# Altium PCB EinsyRetro.PcbDoc (part 3 of 5) (continued)
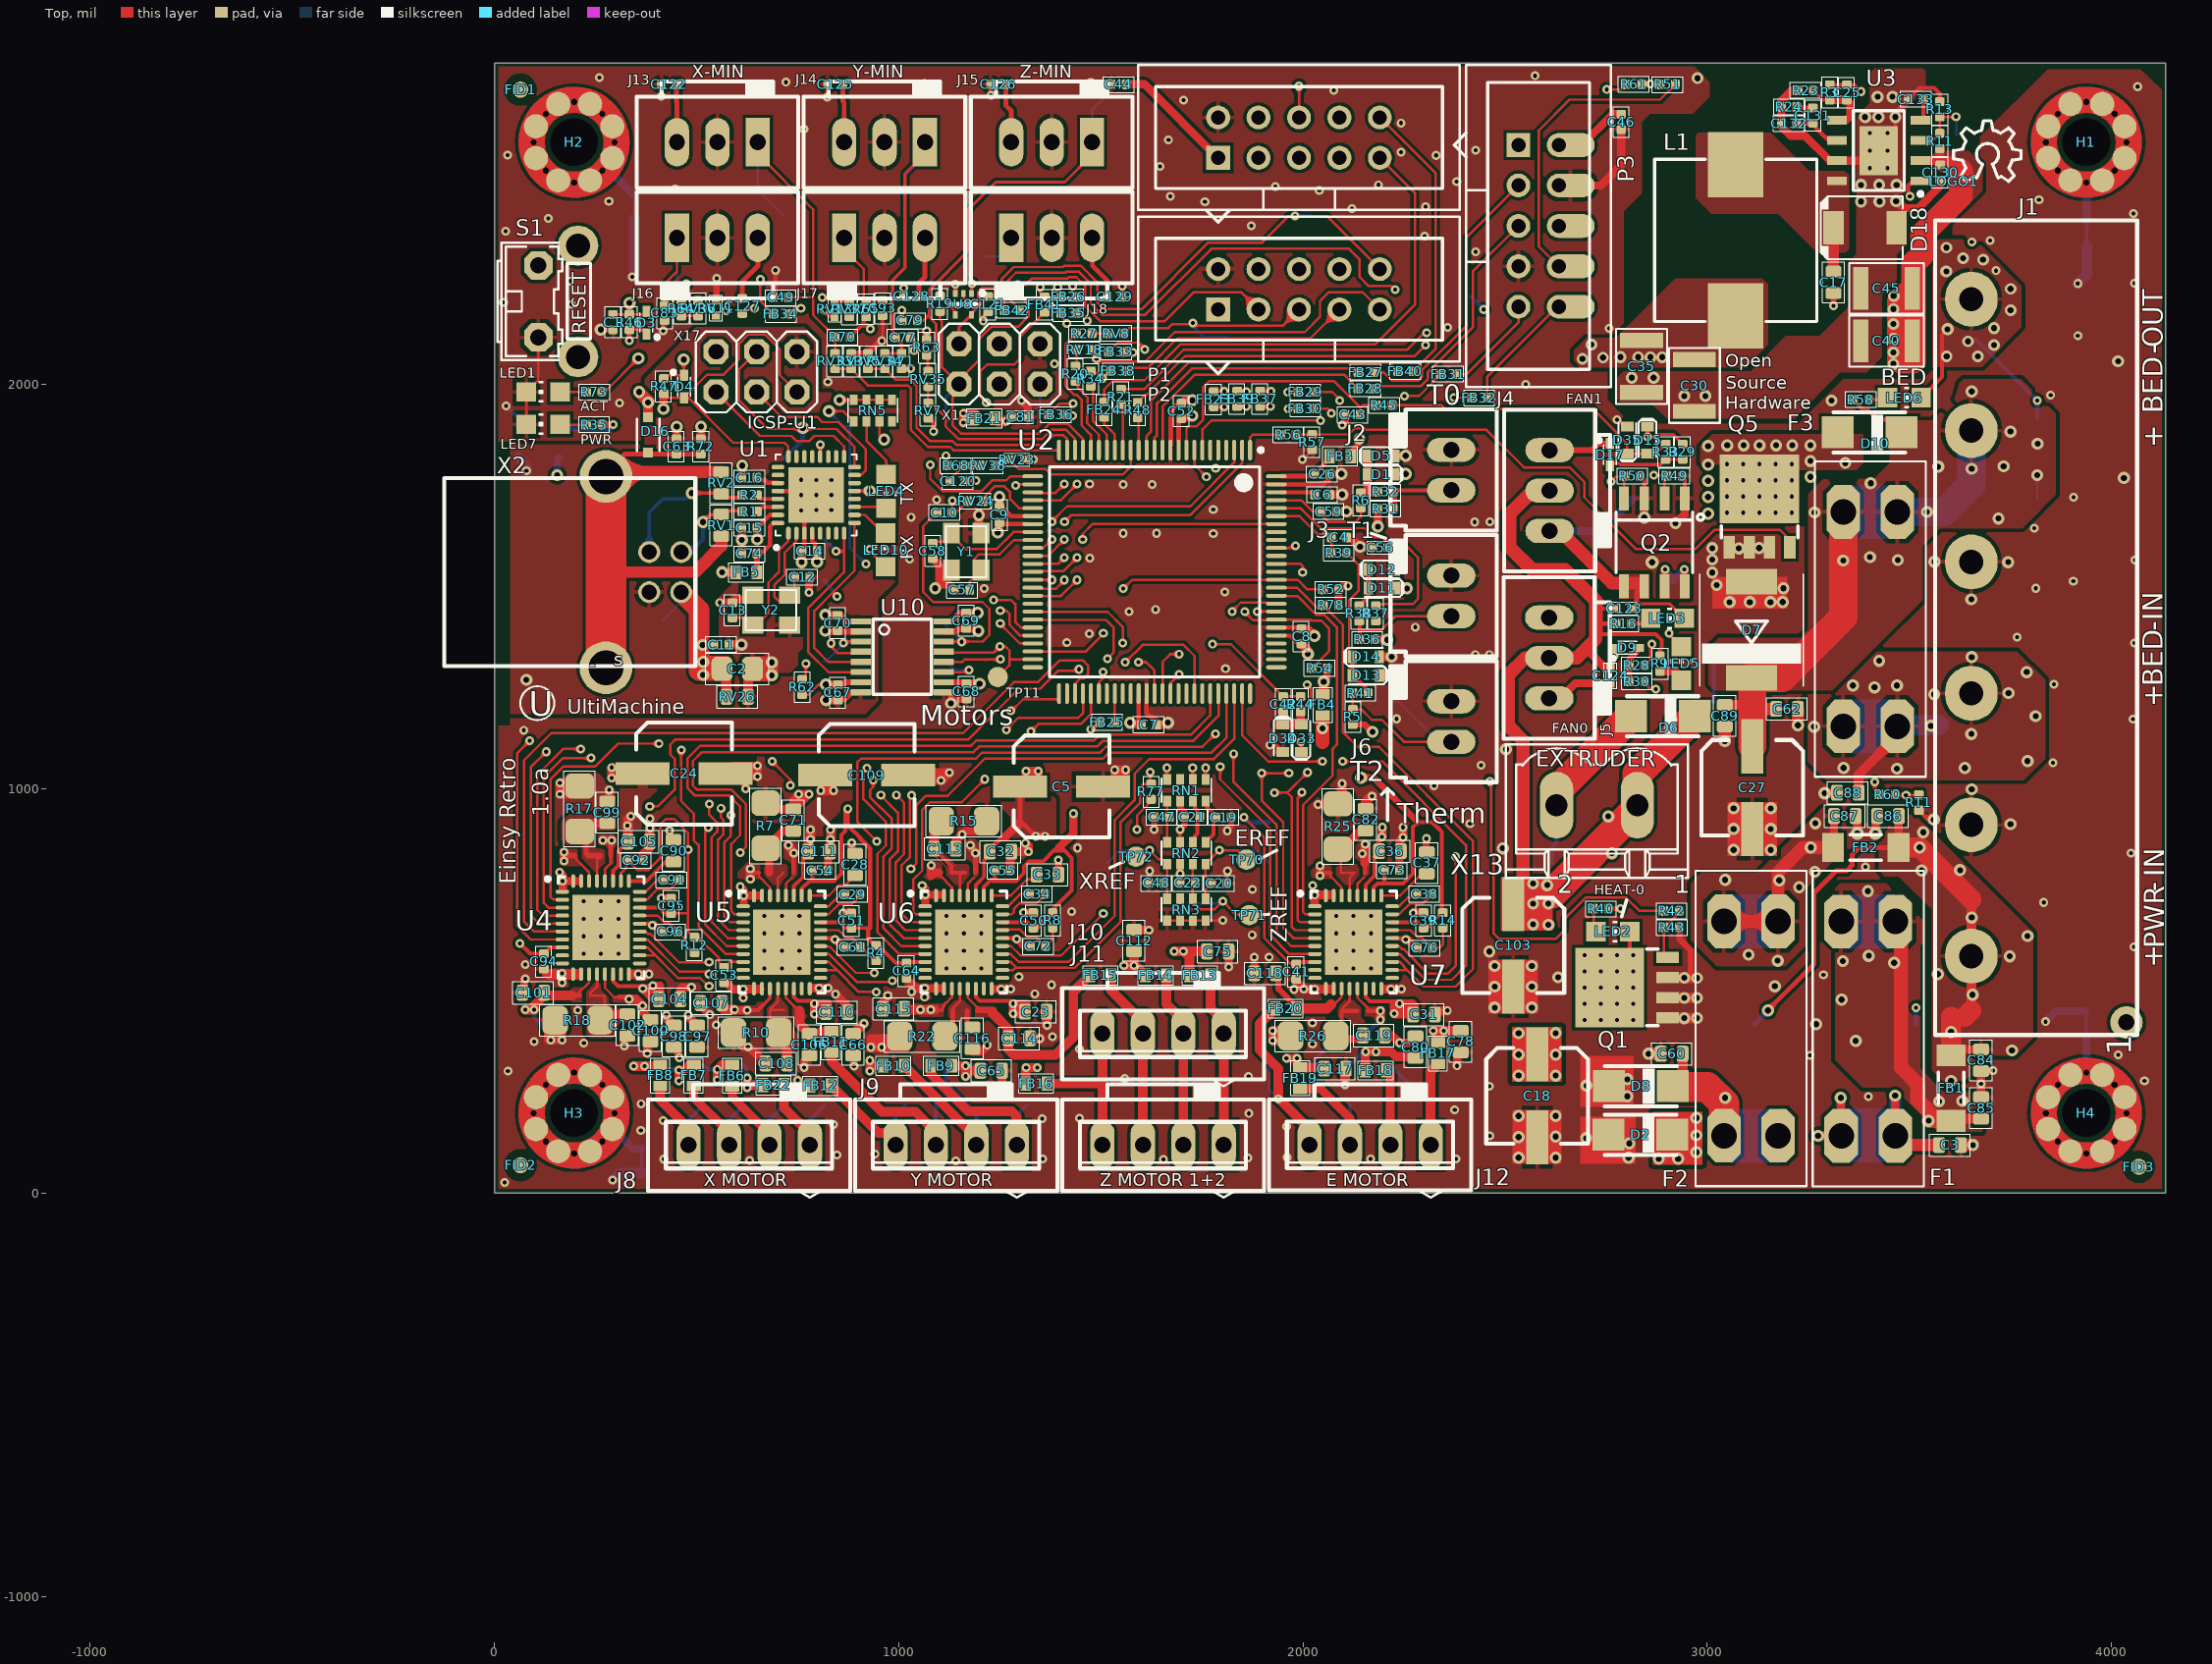
[diagram p0: Top view]
## Nets (pads, with @x,y where several pads share a name; then routed paths per layer and width w, separated by ;. In a path a pad name is that pad's centre, name@x,y a point inside that pad or via, vN(x,y) a via of type N, cw(c..) or ccw(c..) an arc to the next point about the centre after c; other vN are vias at no path point) (continued)
  Top w22: FB18.2@2206.18,303 2215.61,293.57 J12.2@2215.61,118.65
  Signal Layer 2 w10: J12.2@2216,118.72 J12.2@2216.08,118.65
  Bottom w10: TP59.TP@2216,216 2216,118.72 J12.2@2216.08,118.65
NetFB19_2: FB19.2 J12.3 TP60.TP | length 277.5
  Top w22: FB19.2@1993,257.82 2043.18,257.82 2116,185 J12.3@2116,158.13
  Signal Layer 2 w10: J12.3@2116,118.72 J12.3@2116.08,118.65
  Bottom w10: TP60.TP@2116,216 2116,118.72 J12.3@2116.08,118.65
NetFB20_2: FB20.2 J12.4 TP52.TP | length 459
  Top w24: FB20.2@1930.82,456 1893,418.18 1893,353.23 1939.23,307 1939.23,278.31 1939,278.08 1939,234.34 2015.61,157.73 J12.4@2016,158.13
  Bottom w6: TP52.TP@1916,316 1916,255 v1(1939,232)
NetFB22_2: FB22.2 J8.1 TP41.TP | length 287
  Top w24: FB22.2@716.43,266.25 716.43,210.07 780.25,146.25 J8.1@780.25,118.25
  Bottom w10: J8.1@780.25,118.25 780.25,180.25 TP41.TP@816,216
NetFB23_2: FB23.2 P2.4 | length 405.5
  Top w6: FB23.2@1779,1981.7 1779.55,1982.25 v1(1805.25,1982.25) v1@1806.25,1982.25
  Signal Layer 2 w6: v1@1806.25,1982.25 1939,2115 1939,2234.79 1890,2283.79 P2.4@1890,2285
NetFB24_1: FB24.1 P1.9 | length 1285.8
  Top w6: FB24.1@1508,1955.9 1508,1987 1531,2010 1608,2010 1697,2099 2179,2099 2276.59,2196.59 2276.59,2473.41 P1.9@2190,2560
NetFB25_1: FB25.1 P2.1 | length 1681.6
  Top w6: v1(1475,1146) 1478.8,1146 FB25.1@1496.8,1164
  Signal Layer 2 w6: v1(1475,1146) 1484,1137 1713,1137 1726,1150 1726,1172 1693,1205 1533,1205 1483,1255 1483,1320 1605,1442 1605,1837 1677.25,1909.25 1677.25,2133.25 1729,2185 P2.1@1790,2185
NetFB26_2: FB26.2 P1.8 | length 891.6
  Top w6: v2(1430,2243) 1430,2225 FB26.2@1439,2216
  Signal Layer 2 w6: v2(1430,2243) 1517,2243 1543,2269 1654.9,2269 1910.15,2524.25 1927.25,2524.25 1940,2537 1940,2585 1964,2609 2039,2609 P1.8@2090,2660
NetFB27_2: FB27.2 P3.3 | length 703.3
  Top w6: FB27.2@2174,2030 2199,2030 2220,2009 2284.98,2009 2294,2018.02 2294,2034.68 2405,2145.68 2405,2364.02 2528.68,2487.71 P3.3@2528.68,2491.71
NetFB28_2: FB28.2 P3.5 | length 614.6
  Top w6: FB28.2@2173.9,1989 2179.9,1995 2290.78,1995 2308,2012.22 2308,2028.88 2420,2140.88 2420,2279.02 2528.68,2387.71 P3.5@2528.68,2391.71
NetFB29_1: FB29.1 P3.6 R61.1 | length 1520.8
  Top w6: FB29.1@2023,1981 2072.26,1981 2093.26,1960 v1(2091,1960) ; v2(2751,2729) 2787,2729 R61.1@2799.55,2741.55
  Signal Layer 2 w6: v1(2091,1960) 2093,1960 2105,1948 2257.7,1948 2275,1965.3 2275,1987 2264,1998 2264,2134 2475,2345 2585.98,2345 P3.6@2632.68,2391.71 ; P3.6@2692.71,2391.71 P3.6@2632.68,2391.71 ; v2(2751,2729) 2661,2729 2582,2650 2582,2442.39 P3.6@2632.68,2391.71
NetFB30_1: FB30.1 P3.8 R51.1 | length 1696.2
  Top w6: FB30.1@2024,1940 2061,1940 2073,1928 v1(2070,1928) ; P3.8@2632.68,2291.71 2583,2341.39 2583,2628 2659,2704 2882.9,2704 R51.1@2920.9,2742
  Signal Layer 2 w6: v1(2070,1928) 2261,1928 2290,1957 2290,1996 2277,2009 2277,2128.62 2388.38,2240 2580.98,2240 P3.8@2632.68,2291.71 P3.8@2697.71,2291.71
NetFB31_2: FB31.2 P3.9 | length 246.4
  Top w6: FB31.2@2378,2025 2404.68,2025 2532.68,2153 P3.9@2532.68,2191.71
NetFB32_1: FB32.1 P3.10 | length 306
  Top w6: FB32.1@2454.9,1967 2454.9,2017.92 2628.68,2191.71 P3.10@2635.25,2185.14
NetFB33_1: FB33.1 P1.7 | length 909.7
  Top w6: FB33.1@1519.1,2080 1542.1,2103 1593.5,2103 ; 1600,2096.5 1593.5,2103 ; v1(1608.25,2086.25) 1608.25,2088.25 1593.5,2103
  Signal Layer 2 w6: v1(1608.25,2086.25) 1747.25,2225.25 1747.25,2309.25 1875,2437 1988.7,2437 1995.45,2430.25 2064.25,2430.25 2090,2456 P1.7@2090,2560
NetFB34_2: FB34.2 P1.6 | length 1826.8
  Top w6: v2(657.66,2259.16) 657.66,2205.9 FB34.2@689.66,2173.9 ; P1.6@1990,2660 v2(1990,2737.36)
  Signal Layer 2 w6: v2(657.66,2259.16) 1101.68,2259.16 1172.24,2329.72 1172.24,2410.43 1242.13,2480.32 1637.8,2480.32 1696.85,2539.37 1696.85,2664.37 1761.81,2729.33 1981.97,2729.33 v2(1990,2737.36)
NetFB35_1: FB35.1 P1.5 | length 735
  Top w6: FB35.1@1438.9,2176 1447,2176 v1(1466,2157)
  Signal Layer 2 w6: v1(1466,2157) 1476.96,2146.04 1550.32,2146.04 1915.54,2511.25 1941.25,2511.25 P1.5@1990,2560
NetFB36_1: FB36.1 P1.3 | length 1285.5
  Top w6: FB36.1@1370.1,1925 1397.1,1952 v1(1431,1952)
  Signal Layer 2 w6: v1(1431,1952) 1470.7,1952 1528,2009.3 1528,2072.62 1497.62,2103 1432.38,2103 1371,2164.38 1371,2252 1390,2271 1515,2271 1739.25,2495.25 1739.25,2593.25 1757.25,2611.25 1839.25,2611.25 1890,2560.5 P1.3@1890,2560
NetFB37_2: FB37.2 P2.8 | length 460.5
  Top w6: FB37.2@1894,1982.7 1894.45,1982.25 v1@1926,1982.25
  Signal Layer 2 w6: v1@1926,1983 2052,2109 2081,2109 2140,2168 2140,2235 P2.8@2090,2285
  other v1: 1921,1983
NetFB38_1: FB38.1 P2.7 | length 594.1
  Top w6: FB38.1@1561.9,2033 1568.9,2040 1615.79,2040 1688.98,2113.19 2018.19,2113.19 P2.7@2090,2185
  Signal Layer 2 w6: P2.7@2090,2182 P2.7@2090,2185
NetFB39_2: FB39.2 P2.6 | length 450.3
  Top w6: FB39.2@1837,1982.7 1837.45,1982.25 v1@1863.25,1982.25 ; v1@1857.3,1979 v1@1858.3,1980
  Signal Layer 2 w6: v1(1860,1982) 2039.7,2161.7 2040,2161.7 2040,2235 P2.6@1990,2285 ; P2.6@1965.61,2294.54 P2.6@1982.57,2277.57
NetFB40_2: FB40.2 P1.10 | length 708.6
  Top w6: P1.10@2190,2660 2328.25,2521.75 2328.25,2088.73 2272,2032.47 FB40.2@2272,2032
NetFB41_2: FB41.2 P1.4 | length 936.8
  Top w6: v1(1350,2240) 1350,2229.76 1348.62,2228.38 FB41.2@1361,2216
  Signal Layer 2 w6: v1(1350,2240) 1350,2253 1384,2287 1412,2287 1432,2307 1432,2419 1454,2441 1616.86,2441 1709.85,2533.99 1709.85,2658.99 1767.2,2716.33 1833.67,2716.33 P1.4@1890,2660
NetFB42_1: FB42.1 U8.2 | length 180.2
  Top w6: U8.2@1161,2224.57 1161,2212.72 1169,2204.72 1190.28,2204.72 1196.73,2211.16 1196.73,2228.56 1207.02,2238.85 1234.98,2238.85 1244,2229.83 1244,2221.2 1261.1,2204.1 FB42.1@1261.1,2183
NetFB42_2: FB42.2 P2.10 TP63.TP | length 1303.4
  Top w6: FB42.2@1299,2183 1299,2186 1258,2227 1258,2235.63 1255,2238.63 1255,2260.91 1284.09,2290 1406.29,2290 1409.29,2293 1450.71,2293 1491,2252.71 1491,2203 1508,2186 1601,2186 1765.25,2350.25 1899,2350.25 1964.75,2416 v1(1980,2416) 2059,2416 P2.10@2190,2285
  Bottom w10: v1(1980,2416) TP63.TP@2016,2416
NetJ2_2: J2.2 R31.1 R32.1 TP20.TP | length 346.2
  Top w10: 2222.9,1713 2226.24,1709.65 ; R32.1@2226.24,1737.65 J2.2@2366.39,1737.65
  Top w20: R31.1@2222.9,1692 2222.9,1713 R32.1@2222.9,1734
  Signal Layer 2 w10: J2.2@2365.99,1737.25 J2.2@2366.39,1737.65
  Bottom w10: TP20.TP@2216,1716 2237.25,1737.25 J2.2@2365.99,1737.25
NetJ3_2: J3.2 R36.1 R38.1 TP21.TP | length 440.3
  Top w6: 2140.1,1392 2194.23,1392 2228.86,1426.63 J3.2@2366.39,1426.63 J3.2@2364.03,1428.99
  Top w10: R38.1@2139,1410.1 2140.1,1409 2140.1,1392 R36.1@2140.1,1369
  Bottom w6: TP21.TP@2216,1416 2226.63,1426.63 J3.2@2366.39,1426.63
NetJ6_2: J6.2 R5.1 R41.1 TP15.TP | length 508.8
  Top w6: R41.1@2123.1,1236 2123,1235.9 R5.1@2123,1195.9 2144.33,1195.9 2170.23,1170 2195,1170 2249.39,1115.61 J6.2@2366.39,1115.61
  Signal Layer 2 w6: J6.2@2335.9,1115.61 J6.2@2366.39,1115.61
  Bottom w6: TP15.TP@2216,1216 2235.5,1216 J6.2@2335.9,1115.61
NetLED1_A: LED1.A R73.1 | length 66
  Top w6: LED1.A@162.34,1981 R73.1@228.35,1981
NetLED2_A: LED2.A R40.2 | length 58.3
  Top w6: R40.2@2719,702 2719,651.66 LED2.A@2724.66,646
NetLED3_A: LED3.A R16.2 | length 53
  Top w8: R16.2@2812,1408 2846.66,1408 LED3.A@2859.66,1421
NetLED4_A: LED4.A RN5.6 | length 151.5
  Top w6: RN5.6@920.28,1908.29 920.28,1859.76 968.76,1811.28 LED4.A@968.76,1776.83
NetLED5_A: LED5.A R9.2 | length 39.3
  Top w20: R9.2@2883,1290 LED5.A@2922.34,1290
NetLED6_A: LED6.A R58.2 | length 67.5
  Top w8: R58.2@3399,1962 3440.66,1962 LED6.A@3445.66,1967 LED6.A@3426.9,1967
NetLED7_A: LED7.A R35.1 | length 66.2
  Top w6: LED7.A@162.34,1901 163.34,1900 R35.1@228.1,1900
NetLED10_A: LED10.A RN5.7 | length 397.2
  Top w6: v1(928.49,1591.91) 926.43,1589.82 LED10.A@967.77,1548.48 ; RN5.7@952.02,1908.29 952.02,1874.84 v3(963.7,1863.16)
  Signal Layer 2 w6: v1(928.49,1591.91) 963.7,1627.12 v3(963.7,1863.16)
NetQ1_4: Q1.4 R42.2 R43.2 | length 133.8
  Top w6: Q1.4@2902.2,582.68 2893.1,591.78 2893.1,655 2931,692.9 R42.2@2931,697
NetQ2_2: Q2.2 R21.2 R49.1 | length 1657.3
  Top w6: R21.2@1550,1988 1607,1988 1704,2085 2246.2,2085 2246.45,2085.25 2257.25,2085.25 2299,2127 v1(2306,2127) ; v1@2875.35,1773.25 2873.61,1775 v1(2868,1775) 2894,1775 Q2.2@2894,1717.42
  Signal Layer 2 w6: v1(2306,2127) 2319,2114 2604.51,2114 2810,1908.51 2810,1833 v1(2868,1775)
NetQ2_4: Q2.4 R48.2 R50.1 | length 1515.4
  Top w6: R48.2@1591,1955 1610,1974 1612.8,1974 1708.8,2070 2276,2070 v1(2303,2097) ; v1(2762,1759) 2774,1771 2794,1771 Q2.4@2794,1717.42
  Signal Layer 2 w6: v1(2303,2097) 2518,2097 2762,1853 v1(2762,1759)
NetQ5_4: Q5.4 R56.2 R57.2 | length 1422.4
  Top w6: R56.2@1982.61,1874.95 2021.97,1874.95 R57.2@2022.98,1875.97 2113.08,1875.97 2128.11,1891 2153,1891 2157,1887 2454,1887 2547,1794 2660,1794 2696,1758 2696,1720 2824,1592 2970,1592 3018,1640 3179,1640 3204,1615 Q5.4@3204,1597
NetR11_1: R11.1 R13.2 TP62.TP U3.3 | length 182
  Top w6: U3.3@3527.35,2603 3557.1,2603 R11.1@3575,2620.9 R13.2@3575,2661 3614,2661 v1(3615,2662)
  Bottom w6: v1(3615,2662) 3616,2661 TP62.TP@3616,2616
NetR19_2: R19.2 U8.4 | length 64.7
  Top w6: R19.2@1102,2218 1141.31,2178.69 1141.31,2171.43 U8.4@1140,2170.11
NetR20_1: R20.1 U2.20 | length 179.4
  Top w6: R20.1@1443,2008 1443,1990.91 1467,1966.91 1467,1934.09 1466,1933.09 1466,1904.22 1494.99,1875.23 U2.20@1494.99,1850.96
NetR20_2: R20.2 RV18.1 | length 41.3
  Top w6: R20.2@1437,2045 1440.1,2048.1 RV18.1@1440.1,2085
NetR27_1: R27.1 U2.21 | length 316.5
  Top w6: R27.1@1440.1,2126 1413,2098.9 1413,1995 1434,1974 1440.11,1974 1453,1961.11 1453,1939.89 1452,1938.89 1452,1898.42 1475.31,1875.11 U2.21@1475.31,1850.96
NetR27_2: R27.2 RV8.1 | length 41.1
  Top w6: R27.2@1478,2126 RV8.1@1519.1,2126
NetR34_2: R34.2 U2.19 | length 161.3
  Top w6: R34.2@1475,1995 1481,1989 1481,1928.29 1480,1927.29 1480,1910.02 1514.68,1875.34 U2.19@1514.68,1850.96
NetRN1_3: RN1.3
NetRN3_3: RN3.3
NetRN5_8: RN5.8
NetRV24_2: RV24.2 U2.30 | length 165.6
  Top w6: RV24.2@1217,1717 1217,1726.84 1238.19,1748.03 1259.84,1748.03 1275.59,1732.28 1275.59,1715.55 1297.66,1693.48 U2.30@1331.61,1693.48
NetU1_5: U1.5
NetU1_6: U1.6
NetU1_7: U1.7
NetU1_12: U1.12
NetU1_14: U1.14
NetU1_18: U1.18
NetU1_19: U1.19
NetU1_21: U1.21
NetU1_22: U1.22
NetU1_23: U1.23
NetU1_25: U1.25
NetU1_26: U1.26
NetU2_4: U2.4
NetU2_5: U2.5
NetU2_6: U2.6
NetU2_42: U2.42
NetU2_50: U2.50
NetU2_52: U2.52
NetU2_57: U2.57
NetU2_59: U2.59
NetU2_60: U2.60
NetU2_66: U2.66
NetU2_67: U2.67
NetU2_69: U2.69
NetU2_75: U2.75
NetU2_76: U2.76
NetU2_77: U2.77
NetU2_78: U2.78
NetU2_79: U2.79
NetU2_88: U2.88 | length 13.8
  Top w6: U2.88@1933.97,1536 U2.88@1947.79,1536
NetU2_93: U2.93
NetU4_9: U4.9
NetU4_10: U4.10
NetU4_17: U4.17
NetU4_19: U4.19
NetU5_9: U5.9
NetU5_10: U5.10
NetU5_17: U5.17
NetU5_19: U5.19
NetU6_9: U6.9
NetU6_10: U6.10
NetU6_17: U6.17
NetU6_19: U6.19
NetU7_9: U7.9
NetU7_10: U7.10
NetU7_17: U7.17
NetU7_19: U7.19
nRESET: C1.1 C10.2 D3.A P2.3 R46.1 RV24.1 S1.1 TP37.TP X1.5 | length 3331.9
  Top w6: C1.1@293,2172.7 D3.A@369.14,2172.7 ; R46.1@334,2172.9 v3(334,2201) ; v1(1132.25,1712.25) 1132,1712 C10.2@1132,1682.5 1142.61,1682.5 RV24.1@1171.1,1711 ; v1(1294,2246) 1313,2246 1329,2262 1417.89,2262 1420.89,2265 1439.11,2265 1461,2243.11 1461,2193.2 1498.2,2156 1658,2156 1729,2227 1848,2227 P2.3@1890,2185
  Signal Layer 2 w6: S1.1@108.73,2293.98 175.46,2227.25 334.25,2227.25 ; v3(334,2201) 334,2227 334.25,2227.25 ; v1(1132.25,1712.25) 1158.25,1738.25 ; v1(1294,2246) 1294,2055 X1.5@1349,2000 1360,1989 1360,1783 1304,1727 1280,1727 1254.75,1752.25 1213,1752.25 1199,1738.25 1158.25,1738.25 ; 334.25,2227.25 525.25,2227.25 534.25,2236.25 824.75,2236.25 857,2204 857,2176.1 973.1,2060 1047,2060 1056,2051 1175,2051 1198,2028 1198,1974 1192,1968 1192,1870 1158.25,1836.25 1158.25,1738.25
  Bottom w6: TP37.TP@1316,1916 1349,1949 X1.5@1349,2000
PC5: FB25.2 U2.58 | length 57.1
  Top w6: U2.58@1534.36,1221 1534.36,1164.34 FB25.2@1534.7,1164
PD5: FB33.2 U2.48 | length 964.6
  Top w6: U2.48@1317.83,1339 1463,1339 1508,1384 v1(1506,1384) ; FB33.2@1557,2080 1558.75,2078.25 v1(1579.25,2078.25)
  Signal Layer 2 w6: v1(1506,1384) 1506,1409 1578,1481 1578,2075 1582.25,2079.25 v1@1582.25,2083.25
PF5: U2.92
PF6: R60.1 RT1.2 U2.91 | length 2162.2
  Top w6: U2.91@1933.97,1595.06 1976.06,1595.06 v1(1981.25,1600.25) ; R60.1@3463.25,984.25 3464.25,983.25 v1(3491.25,983.25) 3522.25,983.25 RT1.2@3523.25,984.25
  Signal Layer 2 w6: v1(1981.25,1600.25) 1981.25,1555.25 1973.25,1547.25 1973.25,1527.84 1995.25,1505.84 2039.84,1505.84 2105.25,1571.25 2215.25,1571.25 2241.25,1597.25 2548.25,1597.25 2651.25,1494.25 2959.25,1494.25 3119.25,1334.25 3119.25,1103.25 3265.25,957.25 3465.25,957.25 v1(3491.25,983.25)
PF7: U2.90
PG3: FB36.2 U2.28 | length 280.3
  Top w6: U2.28@1317.83,1732.85 1319.68,1731 1388,1731 1408.99,1751.99 v1@1411.26,1751.99
  Signal Layer 2 w6: v1(1409.83,1753) 1409.83,1901.83 v1(1430,1922)
PG4: FB35.2 U2.29 | length 688.5
  Top w6: U2.29@1317.83,1713.17 1401.17,1713.17 v1(1441,1753) ; FB35.2@1401,2168 1416,2153 v1(1416,2150)
  Signal Layer 2 w6: v1(1416,2150) 1416,2145 1445,2116 1503,2116 1541,2078 1541,1980 1440,1879 v1@1440,1753
PH2: FB40.1 U2.14 | length 771.9
  Top w6: U2.14@1613.1,1850.96 1613.1,1872.1 1624,1883 1624,1960 1718,2054 2212.3,2054 FB40.1@2234.3,2032
PH6: FB24.2 U2.18 | length 78
  Top w6: FB24.2@1508,1918 1508,1902 1534.36,1875.64 U2.18@1534.36,1850.96
PH7: FB41.1 U2.27 | length 613.7
  Top w6: v1(1217,1955) 1201,1971 1201,2031 1219,2049 1286,2049 1300,2063 1300,2117.1 FB41.1@1361,2178.1 ; v1(1289,1750) 1291.54,1752.54 U2.27@1331.61,1752.54
  Signal Layer 1 w6: v1(1217,1955) 1217,1822 v1(1289,1750)
PJ2: FB37.1 U2.65 | length 874.3
  Top w6: U2.65@1672.79,1221 1672.79,1261.79 v1(1693.25,1282.25) ; FB37.1@1894,1945.1 v2(1918.9,1945.1)
  Signal Layer 2 w6: v1(1693.25,1282.25) 1695.25,1282.25 1734,1321 1734,1798 1791,1855 1828.8,1855 v2(1918.9,1945.1)
PJ5: FB31.1 U2.68 | length 2385.2
  Top w6: v2(1560.25,1312.25) 1603.25,1355.25 1704.25,1355.25 1731.79,1327.72 U2.68@1731.79,1221 ; v2(2251,1971) 2286.58,1971 2322,2006.42 2322,2006.9 FB31.1@2340.1,2025
  Signal Layer 2 w6: v2(1560.25,1312.25) 1560.25,1333.25 1661.25,1434.25 1661.25,1854.25 1698.25,1891.25 1698.25,1976.25 1734.25,2012.25 1806.25,2012.25 1860.25,2066.25 1860.25,2140.25 1841.25,2159.25 1841.25,2305.25 1891.25,2355.25 2203.75,2355.25 2264,2295 2264,2152.62 2250,2138.62 2250,1972 v2(2251,1971)
PK0: FB32.2 U2.89 | length 734.9
  Top w6: U2.89@1947.79,1555.69 1993.82,1555.69 1999.25,1550.25 1999.25,1535.25 v1(1999,1535) ; v1(2373,1967) FB32.2@2417,1967
  Signal Layer 2 w6: v1(1999,1535) 2024.02,1560.02 2037.63,1560.02 2193.25,1715.64 2193.25,1833.25 2251.25,1891.25 2297.25,1891.25 v1(2373,1967)
PWR-IN: C84.1 C86.1 FB1.1 FB2.1 J1.1 TP66.TP | length 1402.2
  Top w12: v3(3150,451) 3150,452 3264,566 3264,742 3318,796 3344,796 3358,810 3358,836 3376,854 FB2.1@3473.1,854
  Top w20: FB2.1@3473.1,854 3473.1,931.33 C86.1@3473.77,932 ; FB1.1@3603,340.1 3617.67,354.77 C84.1@3677,354.77
  Top w24: 3653,451 J1.1@3653,584.41 ; J1.1@3653,623.71 3653,726
  Top w50: FB2.1@3473.1,854 v3(3525,854) 3653,726 ; FB1.1@3603,340.1 v3(3603,398) 3603,435 ; 3637,435 3653,451
  Bottom w12: TP66.TP@3116,416 v3@3150.5,450.5
  other v3: 3603,277 3753.25,352.25 3656,490 3570,541 3748,585 3792,635 3654,681 3530,797 3625,798 3534,892
RD+: R2.2 U1.29 | length 55.1
  Top w9: R2.2@650,1726 659.84,1716.16 U1.29@701,1716.16
RD-: R1.2 U1.30 | length 57.8
  Top w9: R1.2@649.07,1682.25 663.29,1696.47 U1.30@701,1696.47
RESET2: D4.A R47.1 TP44.TP U1.24 X17.5 | length 948.6
  Top w6: 418,1963.82 420.75,1966.57 D4.A@469.17,1966.57 469.17,1967.17 526,2024 567,2024 605.53,2062.53 605.53,2101.03 628.06,2123.56 669,2123.56 705.53,2087.03 705.53,2023.56 X17.5@748.53,1980.56 ; D4.A@474.17,1971.57 590.42,1855.32 717.77,1855.32 727,1846.09 U1.24@727,1821
  Top w20: v4(418,1939) 418,1963.82
  Signal Layer 2 w6: v4@416,1941 v4(418,1939)
  Bottom w6: v4@416,1941 TP44.TP@416,2016
RST-IO: C10.1 TP29.TP U10.14 | length 645.4
  Top w6: C10.1@1094.3,1682.5 1060.25,1648.46 1060.25,1486.25 1085.25,1461.25 1207.25,1461.25 1224.25,1444.25 1224.25,1380.25 1207.54,1363.54 U10.14@1111.13,1363.54
  Bottom w6: TP29.TP@1116,1416 1116,1403 v1(1156,1363)
RX0: TP30.TP U2.2 U10.12 | length 1182.8
  Top w6: U10.12@1111.13,1313.04 1157.04,1313.04 1163,1319 v1@1252,1319 ; v1(1410,1660) 1426,1676 ; 1455,1676 1426,1676 ; U2.2@1849.79,1850.96 1849.79,1805.14 1720.65,1676 1426,1676
  Signal Layer 2 w6: v1@1252,1319 1288.41,1355.41 1288.41,1557.41 1369,1638 1405,1638 1410,1643 v1(1410,1660)
  Bottom w6: TP30.TP@1216,1316 1219,1319 v1@1252,1319
  other v1: 1252,1320
RX0-I: TP25.TP U1.9 U10.5 | length 545.8
  Top w6: v1(847,1475) 837,1485 ; U1.9@890.84,1657.46 U1.9@890.49,1657.1 890.49,1538.49 837,1485 ; U10.5@905.76,1313.04 825.46,1313.04 791.17,1347.34 791.17,1439.17 837,1485
  Signal Layer 2 w10: v1@846,1476 v1(847,1475)
  Bottom w10: TP25.TP@816,1516 v1@846,1476
RX1: FB34.1 U2.45 | length 1167.2
  Top w6: FB34.1@727.56,2173.9 741.66,2188 v1(758,2188) ; v1(1234.25,1466.25) 1277.84,1466.25 1288.1,1455.99 1288.1,1412.4 1302.3,1398.2 U2.45@1331.61,1398.2
  Signal Layer 2 w6: v1@758.25,2191.75 806,2144 830.62,2144 1042,1932.62 1042,1905.47 1039,1902.47 1039,1863.53 1042,1860.53 1042,1714.89 1080.71,1676.18 1135.32,1676.18 1244.25,1567.25 1244.25,1476.25 v1(1234.25,1466.25)
RX2: FB28.1 U2.12 | length 620.7
  Top w6: U2.12@1652.79,1850.96 1652.79,1944.79 1732,2024 2102,2024 FB28.1@2133.75,1992.25
RX3: FB23.1 U2.63 | length 864.4
  Top w6: v1(1593,1313) 1612,1313 1632.79,1292.21 U2.63@1632.79,1221 ; FB23.1@1779,1944.1 v2(1804.9,1944.1)
  Signal Layer 2 w6: v1(1593,1313) 1593,1342 1681.83,1430.83 1681.83,1821.03 v2(1804.9,1944.1)
RXL: LED10.C U1.10 | length 95.9
  Top w6: U1.10@890.49,1676.79 916.24,1676.79 961.2,1631.82 LED10.C@967.77,1631.82
SCK: P2.9 RV18.2 TP55.TP U4.3 U5.3 U6.3 U7.3 X1.3 | length 6091.4
  Top w6: U4.3@168.15,705.27 133.73,705.27 122,717 122,1028 169,1075 239,1075 v1(239,1076) ; v1@584,935 584,882 569.12,867.12 569.12,682.88 582.73,669.27 U5.3@615.53,669.27 ; v1(1032,983) 1028,979 1028,831 1007.5,810.5 1007.5,689.5 1027.73,669.27 U6.3@1065.53,669.27 ; RV18.2@1478,2085 1490.38,2072.62 1489,2071.24 v1(1489,2063) 1495.75,2056.25 1610.25,2056.25 1683,2129 2004,2129 2042,2167 2042,2206 2064,2228 2147,2228 P2.9@2190,2185 ; v1(1997,991) 1997,986 1986.25,975.25 1986.25,674.75 1991.73,669.27 U7.3@2029.53,669.27
  Signal Layer 1 w6: X1.3@1249,2000 1300,2051 v1(1385,2051) 1477,2051 v1(1489,2063)
  Signal Layer 2 w6: v1(239,1076) 365.5,1076 516.25,925.25 555.25,925.25 557.25,927.25 578.25,927.25 v1(585.25,934.25) ; v1@585.25,935 629,935 728,1034 846,1034 932,948 997,948 v1(1032,983) 1048.5,966.5 1971.5,966.5 1972,966 v1(1997,991) 1973.5,1014.5 1953.5,1014.5 1939,1029 1939,1448.5 1912.5,1475 1866,1475 1825,1516 1825,1765 2190,2130 P2.9@2190,2185
  Bottom w6: v1(1385,2051) 1385,2047 TP55.TP@1416,2016
SCK2: TP45.TP U1.15 X17.3 | length 527.3
  Top w6: X17.3@668.44,1980.56 X17.3@648.53,1980.56 710.09,1919 798.32,1919 811,1906.32 851.07,1906.32 918.49,1838.91 918.49,1786.84 907.65,1776 U1.15@890.49,1776
  Bottom w6: X17.3@648.53,1980.56 713.09,1916 TP45.TP@716,1916
SCL: FB29.2 U2.43 | length 1436.8
  Top w6: U2.43@1317.83,1437 1517,1437 1554,1400 v1(1554,1360) ; v1(1962,1980) FB29.2@1988,1980
  Signal Layer 2 w6: v1(1554,1360) 1554,1347 1551.43,1344.43 1551.04,1344.43 1537.55,1330.95 1537.55,1305.25 1592.81,1250 1713.62,1250 1803,1339.38 1803,1387.62 1772,1418.62 1772,1530.38 1799,1557.38 1799,1777.3 1941,1919.3 1941,1959 v1(1962,1980)
SD_SS: FB38.2 R34.1 U8.1 | length 941.2
  Top w6: U8.1@1180.82,2224.57 1181,2224.75 v2(1181,2249) ; R34.1@1475,2032.9 1484.1,2032.9 1502,2015 v1(1504,2015) 1505,2014 FB38.2@1524,2033
  Signal Layer 2 w6: v2(1181,2249) 1194,2262 1194,2275 1228,2309 1228,2434 1241,2447 1313,2447 1329,2431 1329,2232.92 1327.54,2231.46 1358,2201 1358,2159 1428,2089 1493.23,2089 1512,2070.23 1512,2049 1504,2041 v1(1504,2015)
SDA: FB30.2 U2.44 | length 1403.6
  Top w6: U2.44@1317.83,1417 1513,1417 1532,1398 1532,1337 v1(1516,1321) ; v1(1963,1939) FB30.2@1987,1939
  Signal Layer 2 w6: v1(1516,1321) 1516,1308.42 1587.42,1237 1719,1237 1816,1334 1816,1393 1785,1424 1785,1525 1812,1552 1812,1771 1963,1922 v1(1963,1939)
TACH_0: C42.1 R44.1 U2.8 | length 793.2
  Top w6: U2.8@1731.79,1850.96 1731.79,1800.21 v2(1761,1771) ; v1(1776,1357) 1821.7,1357 C42.1@1951,1227.7 1951.2,1227.9 R44.1@1994,1227.9 R44.1@1999.1,1227.9
  Signal Layer 2 w6: v2(1761,1771) 1756,1766 1756,1377 v1(1776,1357)
TACH_1: C43.1 R45.1 U2.9 | length 661.3
  Top w6: U2.9@1711.79,1850.96 1711.79,1890.79 ; C43.1@2141.7,1925 2141.7,1942.55 ; R45.1@2182.1,1948 2147.15,1948 2141.7,1942.55 ; 1711.79,1890.79 1711.79,1892.36 1715.67,1896.25 1717.25,1896.25 ; 1711.79,1890.79 1717.25,1896.25 ; 1717.25,1896.25 1737.25,1896.25 1752.25,1911.25 1752.25,1991.25 1769.25,2008.25 2076,2008.25 2141.7,1942.55
THERM0: C59.1 R6.2 U2.97 | length 249.9
  Top w6: U2.97@1947.79,1713.17 1995.83,1713.17 2023.71,1685.29 C59.1@2044.54,1685.29 2044.54,1678.46 2064,1659 2129,1659 2143,1673 R6.2@2143,1694 R6.2@2144,1693
THERM1: C56.1 R37.2 U2.96 | length 603.5
  Top w6: U2.96@1947.79,1693.48 1993.52,1693.48 2043,1644 2152,1644 2174,1622 2197,1622 2220,1599 2256.5,1599 2284.25,1571.25 2284.25,1469 2271.25,1456 2184,1456 R37.2@2180,1452
  Top w10: R37.2@2180,1448 R37.2@2182,1450
THERM2: C4.1 R39.2 U2.95 | length 182.5
  Top w6: U2.95@1947.79,1673.8 1991.2,1673.8 2036,1629 2062.3,1629 C4.1@2070.3,1621 2070.3,1583.3 R39.2@2070,1583
TX0: TP31.TP U2.3 U10.11 | length 1221.7
  Top w6: U10.11@1111.13,1288.04 1169.04,1288.04 v1(1174,1293) ; v1(1379,1660) 1379,1661 1416,1698 ; 1461,1698 1416,1698 ; U2.3@1829.79,1850.96 1829.79,1806.35 1721.43,1698 1416,1698
  Signal Layer 2 w6: v1(1174,1293) 1174,1327 1220.25,1373.25 1265.25,1373.25 1273.41,1381.41 1273.41,1570.41 1363,1660 v1(1379,1660)
  Bottom w6: TP31.TP@1116,1316 1139,1293 v1(1174,1293)
TX0-I: TP26.TP U1.8 U10.6 | length 541.2
  Top w6: v1(845,1587) 864.43,1587 ; U1.8@864.9,1631.51 864.43,1631.04 864.43,1587 ; U10.6@905.76,1288.04 826.04,1288.04 776,1338.08 776,1446 864.43,1534.43 864.43,1587
  Bottom w6: TP26.TP@816,1616 v1(845,1587)
TX1: FB26.1 U2.46 | length 1424
  Top w6: v1(1250.98,1439.96) 1265.75,1439.96 1273.62,1432.09 1273.62,1405.51 1300.61,1378.52 U2.46@1331.61,1378.52 ; v1(1393,2240) 1393,2224.1 FB26.1@1401.1,2216
  Signal Layer 2 w6: v1(1250.98,1439.96) 1250.98,1452.76 1258.25,1460.02 ; 1258.25,1469.49 1258.25,1460.02 ; v1(1393,2240) 1437,2196 1437,2147 1455,2129 1508.38,2129 1555,2082.38 1555,1961 1522,1928 1522,1741 1477,1696 1477,1607 1464,1594 1445,1594 1432,1607 ; 1432,1623 1432,1607 ; 1258.25,1460.02 1258.25,1585.25 1355,1682 1420,1682 1432,1670 1432,1607
TX2: FB27.1 U2.13 | length 641.1
  Top w6: U2.13@1632.79,1850.96 1632.79,1867.79 1638.79,1873.79 1638.79,1952.79 1725,2039 2127.1,2039 FB27.1@2136.1,2030
TX3: FB39.1 U2.64 | length 860.6
  Top w6: U2.64@1652.79,1221 1652.79,1313.79 1671.25,1332.25 1693.25,1332.25 v1(1693.5,1332.5) ; FB39.1@1837,1945.1 v2(1860.1,1945.1)
  Signal Layer 2 w6: v1(1693.5,1332.5) 1696.83,1335.83 1696.83,1793.83 1793,1890 1818,1890 1860.1,1932.1 v2(1860.1,1945.1)
TXL: LED4.C U1.11 | length 79.5
  Top w6: U1.11@890.49,1696.47 965.77,1696.47 LED4.C@968.76,1693.49
uC_Vcc: C7.1 C8.1 C9.1 C52.1 C81.1 FB21.2 U2.10 U2.31 U2.61 U2.80 | length 439
  Top w6: C7.1@1598.71,1159 C7.1@1599.91,1157.8 ; C52.1@1697.1,1915.18 C52.1@1703.99,1922.07 ; v3@1726.6,1922.07 v3@1728.6,1922.07
  Top w10: U2.80@1933.97,1378.52 1967.98,1378.52 1988.94,1357.57 C8.1@1996,1357.57
  Top w11.5: C9.1@1249,1695.7 1256.3,1695.7 1278.2,1673.8 U2.31@1317.83,1673.8 ; C7.1@1593.42,1160 U2.61@1593.42,1221
  Top w12: U2.10@1692.79,1861 1692.79,1910.87 C52.1@1697.1,1915.18
  Top w20: C9.1@1249,1695.7 v3@1249,1726 ; v3@1570,1159 C7.1@1598.71,1159 ; C52.1@1699,1915.3 1701.7,1918 v3@1726,1918
  Top w22: FB21.2@1238.18,1916 FB21.2@1241.18,1919 ; FB21.2@1245.08,1906.83 v1@1261.43,1906.83 ; v1@1265,1910 1274,1919 C81.1@1282.3,1919
  Top w23: C8.1@1996,1357.57 2012,1341.57 v4(2012,1333)
  other v1: 1266,1909
  other v3: 1572,1163 1249.02,1721.46 1726.25,1922.25
USBVCC: C2.2 C11.1 C14.1 C15.1 C67.2 C70.1 D4.C FB5.1 JP3.1 R47.2 R62.2 RN5.1 RN5.2 RN5.3 RN5.4 RV26.2 TP46.TP U1.4 U1.31 U10.1 U10.7 X2.1 X17.2 | length 1299.8
  Top w6: R47.2@418.97,2021.89 419.17,2021.69 D4.C@469.17,2021.69 468.19,2022.67 v3(468.19,2061.06) ; R62.2@761.25,1232.25 776.61,1232.25 801.5,1257.14 v3(820.13,1257.14) ; C67.2@848.98,1257.14 C67.2@849.66,1256.46 ; v3(853.6,1960.88) 887.29,1960.88 RN5.4@888.28,1961.87 RN5.3@920.28,1961.87 RN5.2@952.02,1961.87 RN5.1@983.52,1961.87
  Top w11: C15.1@649.7,1645 650.1,1645 681.89,1676.79 U1.31@701,1676.79 ; U1.4@786,1631.51 786,1612.4 793,1605.4 793,1593.14 C14.1@798.35,1587.79
  Top w15: C67.2@849.66,1256.46 859.46,1256.46 866.04,1263.04 U10.7@905.76,1263.04 ; C70.1@850.65,1428.4 856.6,1428.4 871.46,1413.54 U10.1@905.76,1413.54
  Top w20: v3(515,1355) 516,1356 C11.1@542.3,1356 ; v3(563,1535) FB5.1@596.82,1535 ; C15.1@649.7,1645 650,1644.7 v3@650,1615 ; v3@798.13,1559.74 798.13,1587.56 C14.1@798.35,1587.79 ; v3(818.17,1429.39) 849.66,1429.39 C70.1@850.65,1428.4 ; v3(820.13,1257.14) C67.2@848.98,1257.14
  Top w25: C2.2@563,1296 573.73,1296 RV26.2@573.73,1227
  Top w30: v3(516,1281) C2.2@563,1281 ; v3(516,1313) C2.2@573,1313
  Top w50: X2.1@461.84,1485.68 506,1441.53 506,1291 558,1291 C2.2@563,1296
  Signal Layer 2 w6: X2.1@458.68,1485.68 X2.1@461.84,1485.68
  Bottom w6: TP46.TP@416,1416 461.84,1461.84 X2.1@461.84,1485.68
  Bottom w16: v4(155.25,1775.25) 155.25,1814.83 JP3.1@160.25,1819.83
  other v3: 798.13,1560.74 650,1616
USHIELD: C63.1 D16.A R72.2 RV1.1 RV2.1 X2.P$1 X2.P$2 | length 1360
  Top w12: X2.P$1@273.58,1769.64 266,1777.22 272.22,1777.22 322.01,1827.01 R72.2@510.53,1827.01
  Top w24: X2.P$1@275.84,1767.38 X2.P$1@275.84,1771.91
  Top w28: 279.84,1535 496,1535
  Top w30: X2.P$1@273.58,1769.64 X2.P$1@275.84,1767.38 ; 275.84,1539 279.84,1535 ; X2.P$1@291.23,1782.77 RV2.1@561,1782.77 ; 496,1535 561,1600 RV1.1@561,1624.23
  Top w100: X2.P$2@275.84,1298.68 275.84,1539 X2.P$1@275.84,1767.38